# Altium PCB Spektrop2_Processor_Board_V1.PcbDoc (part 4 of 4) (continued)
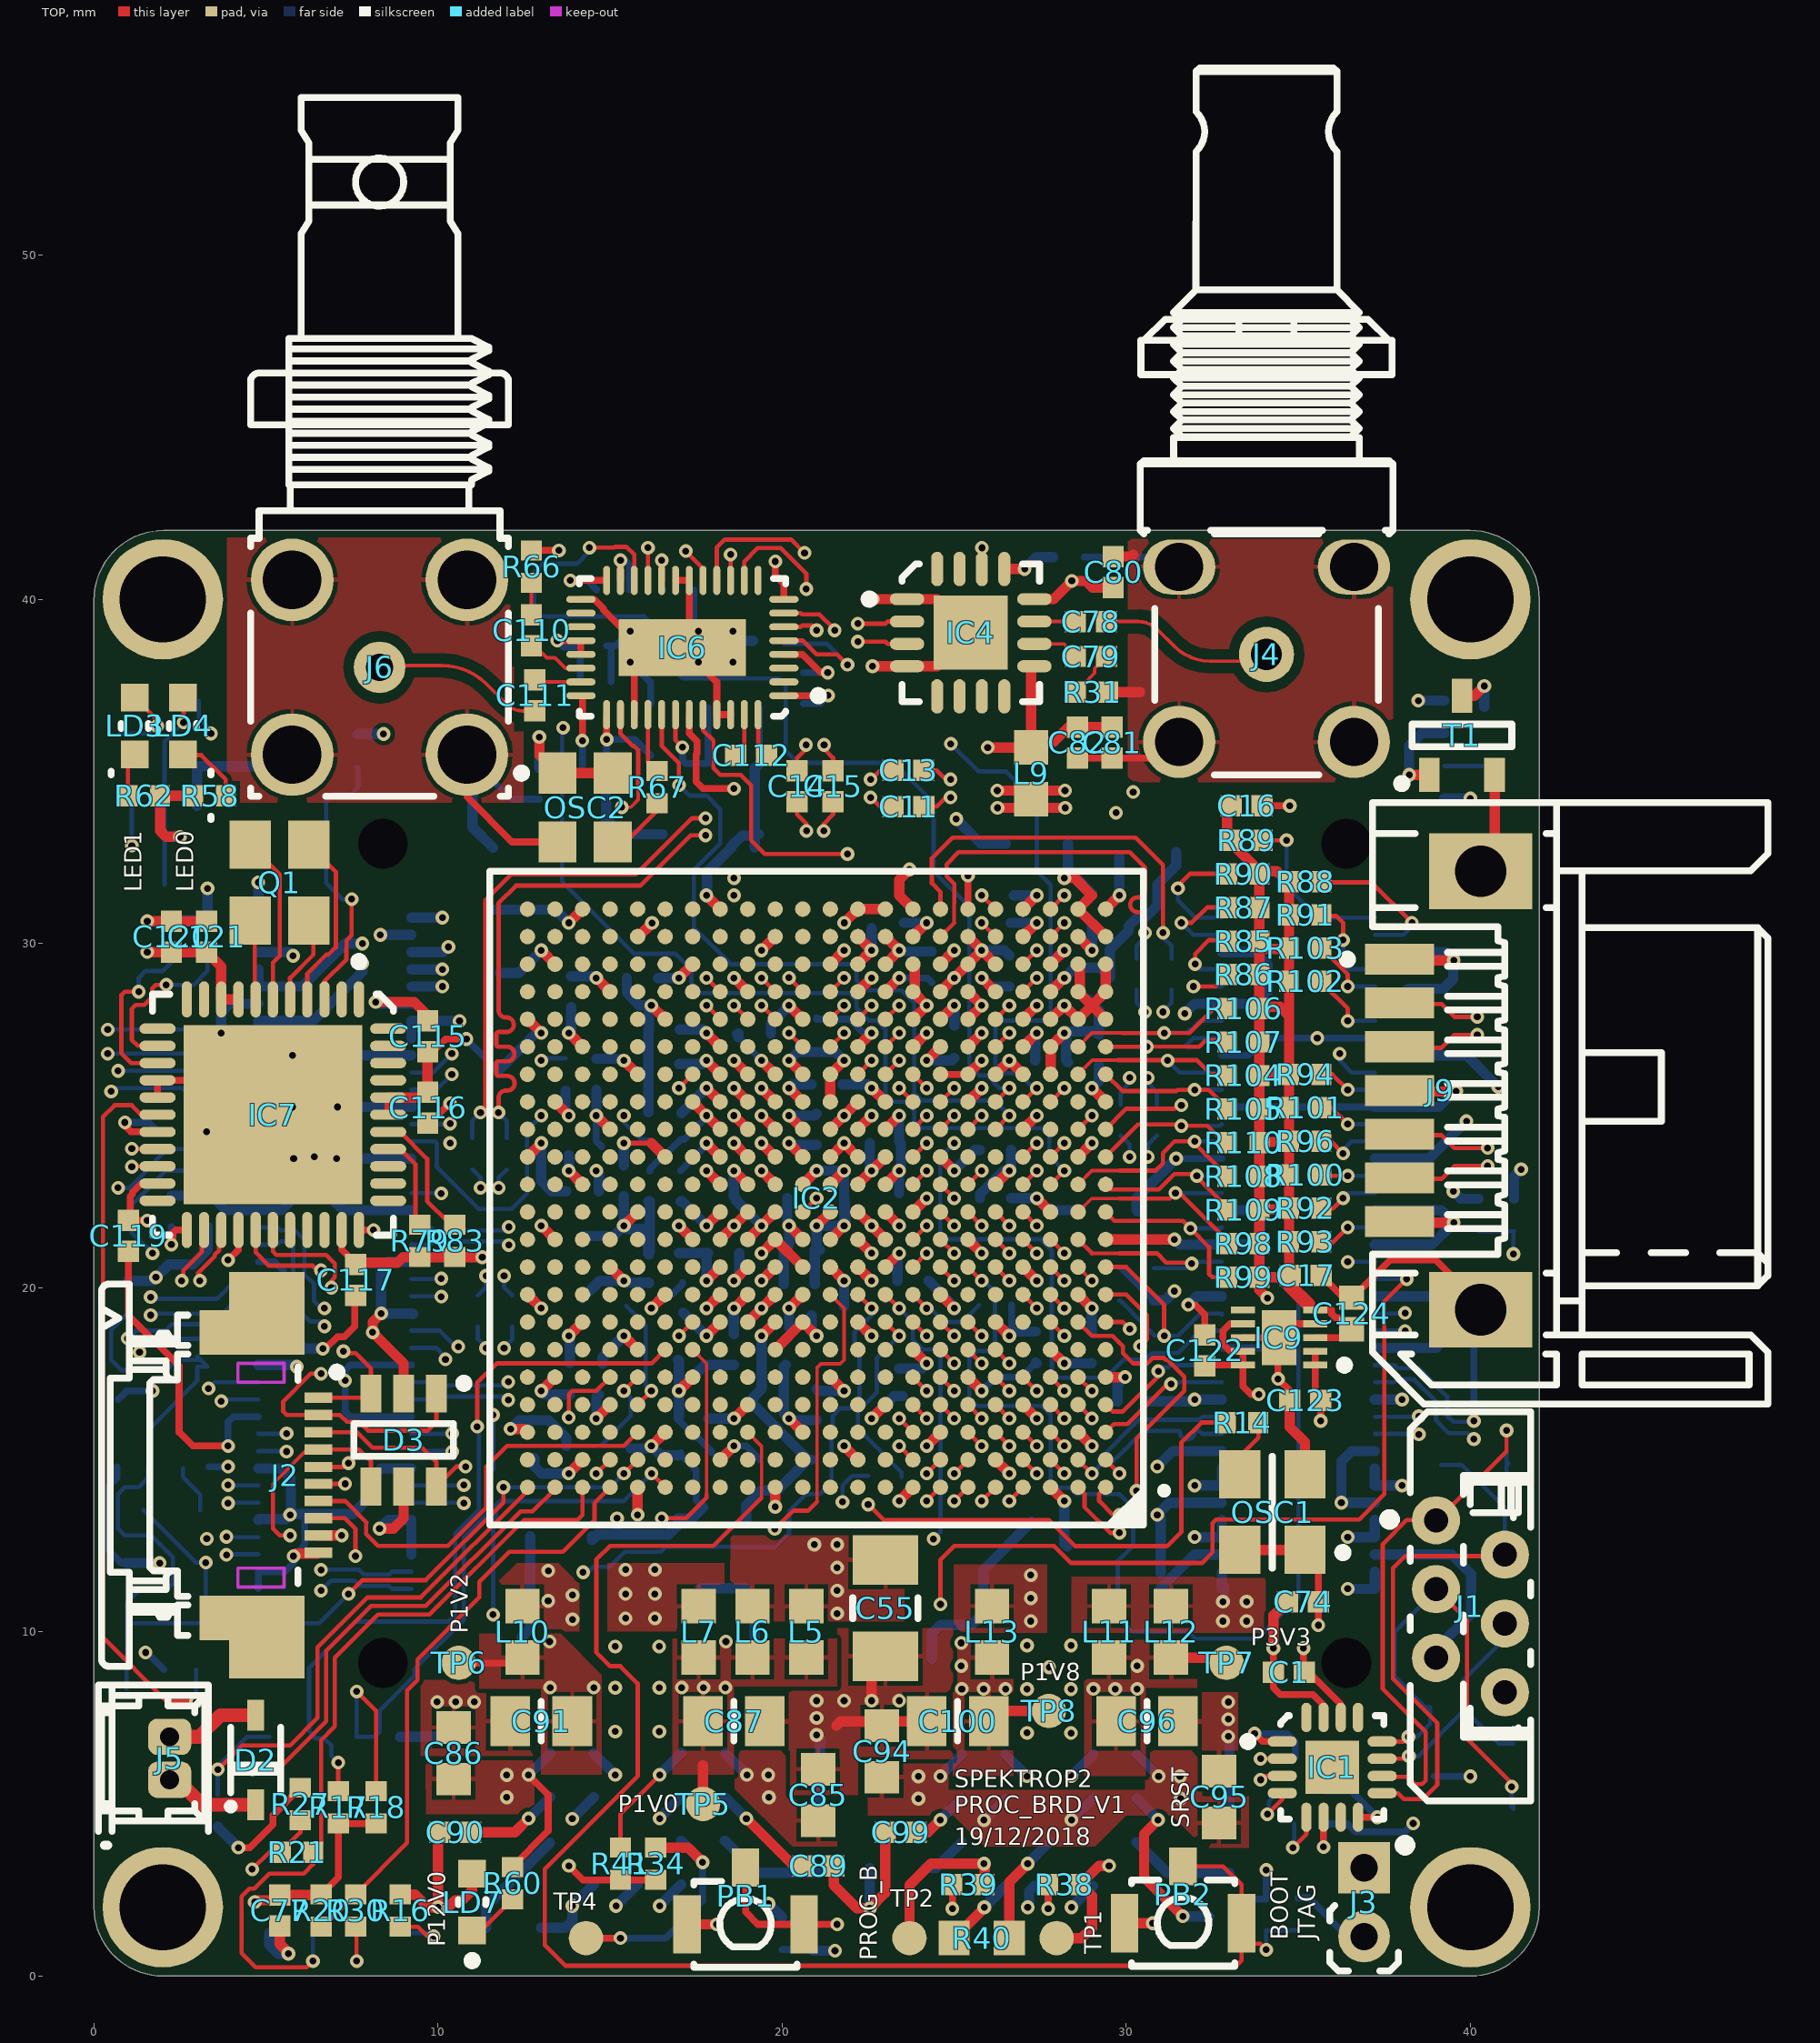
[diagram p0: TOP view]
## Nets (pads, with @x,y where several pads share a name; then routed paths per layer and width w, separated by ;. In a path a pad name is that pad's centre, name@x,y a point inside that pad or via, vN(x,y) a via of type N, cw(c..) or ccw(c..) an arc to the next point about the centre after c; other vN are vias at no path point) (continued)
  TOP w0.1: J6.1@8.3,38.025 cw(c8.424,37.901) 8.424,38.076 10.104,38.076 cw(c10.104,36.231) 11.409,37.536 11.994,36.951 ccw(c12.459,37.416) 12.459,36.758 C111.2@12.812,36.758
SDO0_C: C111.1 IC6.27 | length 1.3
  TOP w0.1: C111.1@12.875,37.6 IC6.27@14.15,37.6
SDO_P: C78.1 J4.1 | length 5.1
  TOP w0.1: C78.1@29.422,39.356 30.332,39.356 cw(c30.332,38.529) 30.917,39.114 31.4,38.631 ccw(c32.431,39.662) 32.431,38.204 33.601,38.204 ccw(c33.601,38.874) J4.1@34.075,38.4
SI5340_I2C_SEL: IC7.38 R83.2 | length 3.6
  TOP w0.125: IC7.38@8.55,24.525 8.902,24.525 9.685,23.742 9.685,22.515 R83.2@10.3,21.9
SI5340_IN_SEL0: IC7.3 R80.1 | length 8.3
  TOP w0.125: IC7.3@6.7,28.375 6.7,28.898 7.34,29.537 7.338,29.539 7.338,29.861 7.34,29.863 7.34,30.088 7.485,30.233 7.485,31.289 v1(7.49,31.289)
  BTM w0.125: v1(7.49,31.289) 7.211,31.289 6.75,31.75 6.75,34.139 6.953,34.342 7.479,34.342 7.681,34.544 7.681,35.084 7.634,35.131 R80.1@7.614,35.151
SI5340_IN_SEL1: IC7.37 R79.1 | length 2.8
  TOP w0.125: IC7.37@8.55,24.025 8.902,24.025 9.343,23.584 9.343,21.953 R79.1@9.471,21.825
SI5340_LOS_XAXBb: IC2.E4 IC7.28 | length 29
  TOP w0.125: IC7.28@5.2,21.675 5.2,21.05 5.3,20.95 6.75,20.95 7,20.7 7,20.3 6.9,20.2 v1(6.9,20) ; IC2.E4@26.999,17.4 v1(27.399,17)
  L2 w0.1: 10.5,17.5 10.863,17.863 12.07,17.863 12.293,18.086 12.293,18.093 12.4,18.2
  L2 w0.125: v1@6.85,20.05 6.9,20.05 8.55,20.05 8.9,19.7 8.9,18 9.4,17.5 10.5,17.5 ; 12.4,18.2 14.3,18.2 15.063,18.963 17.15,18.963 23.549,18.962 23.762,18.75 23.762,18.438 24.038,18.162 25.149,18.162 25.362,17.95 25.362,16.838 25.563,16.637 26.749,16.637 27.112,17 v1(27.399,17)
SI5340_nINTR: IC2.P2 IC7.33 | length 25.9
  TOP w0.125: IC2.P2@28.599,24.6 v1(28.999,25)
  TOP w0.2: IC7.33@7.7,21.675 v1(8.127,21.675)
  L2 w0.125: v1(8.127,21.675) 8.152,21.7 9.8,21.7 11,20.5 11,20.1 11.143,19.957 12.079,19.957 12.221,20.1 13.4,20.1 14.7,21.4 15.6,21.4 16.6,22.4 20.686,22.4 20.849,22.237 21.437,22.237 22.2,23 28.5,23 28.6,23.1 28.6,24.6 v1(28.999,25)
Si5340_nLOL: IC2.P1 IC7.27 | length 35.8
  TOP w0.125: IC7.27@4.7,21.675 4.7,21.025 5.087,20.638 6.358,20.638 6.495,20.5 v1(6.6,20.5) ; IC2.P1@29.399,24.6 30,25.2 31.4,25.2 31.5,25.3 v1(31.6,25.3)
  L2 w0.125: v1(6.6,20.5) 6.945,20.845 10.06,20.845 10.6,20.305 10.6,19.9 10.793,19.707 12.407,19.707 12.5,19.8 13.612,19.8 14.412,20.6 15.8,20.6 16.2,21 16.2,21.6 16.775,22.175 20.336,22.175 20.6,21.911 20.6,21.686 20.886,21.4 22,21.4 22.2,21.6 22.2,22.1 22.275,22.175 29.075,22.175 29.5,22.6 29.5,24.2 30.1,24.8 30.7,24.8 31.2,25.3 v1(31.6,25.3)
SI5340_nRST: IC2.G2 IC7.17 R84.2 | length 73.6
  TOP w0.125: IC7.17@1.85,25.025 1.375,25.025 1.1,25.3 0.6,25.3 0.262,24.962 0.262,9.838 2.13,7.97 v1(2.97,7.97) ; IC2.G2@28.599,19 28.999,18.6 29.6,18.6 29.9,18.3 29.9,18.1 30.2,17.8 30.61,17.8 30.768,17.959 31.089,17.959 31.148,17.9 31.2,17.9 31.688,17.412 31.688,17 30.3,15.613 v1(30.3,14.1)
  L5 w0.1: v1(2.97,7.97) 3.53,7.97 8.8,2.7 22.8,2.7 24.6,0.9 28.8,0.9 32.3,4.4 32.3,8.5 30.5,10.3 30.5,14 30.4,14.1 v1(30.3,14.1)
  BTM w0.125: v1(2.97,7.97) R84.2@2.97,8.9
SI5340_SCL: IC2.G3 IC7.14 R81.2 | length 82.3
  TOP w0.125: v1(1.3,28.6) 0.9,28.6 0.8,28.5 0.8,26.8 1.075,26.525 IC7.14@1.85,26.525 ; IC2.G3@27.799,19 v1(28.199,18.6)
  L2 w0.1: 0.262,10.238 0.262,5.938 1.5,4.7 3.852,4.7 4.252,4.3
  L2 w0.125: 0.262,10.238 0.262,18.762 0.5,19 0.5,22.1 2.25,23.85 2.25,27.65 v1(1.3,28.6) ; 4.252,4.3 6.954,1.598 16.602,1.598 17.2,1 20.1,1 21.2,2.1 21.8,2.1 22.9,1 29.5,1 32,3.5 32,10.1 31.4,10.7 31.4,13.6 30.288,14.712 30.013,14.988 29.163,15.837 28.849,15.837 28.637,16.049 28.637,17.15 28.7,17.213 28.7,18.099 v1(28.199,18.6)
  BTM w0.125: v1(1.3,28.6) 1.3,29 1.5,29.2 2,29.2 2.3,29.5 R81.2@2.3,29.73
SI5340_SDA: IC2.E3 IC7.13 R82.2 | length 68.3
  TOP w0.125: IC7.13@1.85,27.025 1.275,27.025 1.1,27.2 1.1,28.1 1.212,28.212 1.461,28.212 1.688,28.439 1.688,28.688 1.8,28.8 v1(2.1,28.8) ; IC2.E3@27.799,17.4 v1(28.199,17)
  L2 w0.125: v1(2.1,28.8) 2.2,28.8 2.75,28.25 2.75,23.5 1.85,22.6 1.4,22.6 1.1,22.3 1.1,19.202 1.777,18.525 1.777,17.777 1.312,17.312 1.312,11.988 6.5,6.8 7.3,6.8 10.407,3.693 26.093,3.693 27.7,5.3 27.7,8.3 29,9.6 29,10 28.25,10.75 28.25,13.25 28.6,13.6 28.6,15.4 28.562,15.438 28.562,15.55 28.349,15.762 27.938,15.762 27.8,15.9 27.8,16.9 27.9,17 v1(28.199,17)
  BTM w0.125: v1(2.1,28.8) 2.9,28.8 3.3,29.2 R82.2@3.3,29.73
TCK: D3.1 IC2.H11 J2.2 | length 32.2
  TOP w0.1: 21.01,13.776 21.01,17.67 21.128,17.787 21.687,17.787 21.8,17.9 21.8,19.399 IC2.H11@21.399,19.8
  TOP w0.125: v1(6.6,17.5) 6.3,17.5 5.5,16.7 5.5,16.4 5.6,16.3 J2.2@6.525,16.3 7.15,16.3 7.35,16.1 7.715,16.1 7.972,15.843 9.693,15.843 9.95,16.1 D3.1@9.95,16.92 ; v1(19.784,12.991) 20.311,13.517 20.752,13.517 21.01,13.776
  L5 w0.1: v1(6.6,17.5) 6.8,17.7 9.1,17.7 10.1,18.7 12.2,18.7 14.2,16.7 14.2,16 15.15,15.05 16.55,15.05 18.609,12.991 v1(19.784,12.991)
TDI: D3.4 IC2.H9 J2.4 | length 35.5
  TOP w0.1: 5.2,14.2 5.2,14.3 6.2,15.3 J2.4@6.525,15.3
  TOP w0.125: 5.2,14.2 5.2,13 5.4,12.8 v1(5.7,12.8) ; J2.4@6.525,15.3 7.7,15.3 8.05,14.95 D3.4@8.05,14.22 ; IC2.H9@22.999,19.8 v1(23.399,19.4)
  L2 w0.1: v1(5.7,12.8) 6.4,12.8 7.5,11.7 7.8,11.7 8.4,11.1 12.4,11.1 13.514,9.986 16.686,9.986 17.075,10.375 19.825,10.375 20.3,9.9 21.6,9.9 v1(24.4,12.7)
  BTM w0.125: v1(23.399,19.4) 23.4,19.4 23.8,19 23.8,18.486 24.086,18.2 24.5,18.2 24.6,18.1 24.6,12.9 v1(24.4,12.7)
TDO: D3.6 J2.3 R5.1 | length 21
  TOP w0.125: J2.3@6.525,15.8 7.65,15.8 8.097,15.353 9.531,15.353 9.95,14.934 D3.6@9.95,14.45 ; D3.6@9.95,14.22 10.53,14.8 v1(10.8,14.8)
  L2 w0.1: v1(10.8,14.8) 10.3,14.8 10.1,14.6 10.1,13.742 10.942,12.9 18.517,12.9 19.639,14.021 20.179,14.021 20.5,13.7 21.677,13.7 v1(21.752,13.775)
  BTM w0.125: v1(21.752,13.775) 21.752,14.252 22.03,14.53 R5.1@22.5,14.53
TDO_R: IC2.G9 R5.2 | length 5.7
  TOP w0.125: IC2.G9@22.999,19 v1(23.399,18.6)
  BTM w0.125: v1(23.399,18.6) 22.75,17.95 22.75,16.95 22.2,16.4 22.2,15.9 23.47,14.63 R5.2@23.47,14.5
TMS: D3.3 IC2.H10 J2.1 | length 36.3
  TOP w0.125: J2.1@6.525,16.8 7.93,16.8 D3.3@8.05,16.92 8.05,17.65 7.6,18.1 7.3,18.1 v1(7.249,18.151) ; IC2.H10@22.199,19.8 v1(22.599,19.4)
  L2 w0.1: v1(7.249,18.151) 7.749,18.151 8.1,17.8 8.1,17 7.9,16.8 5.3,16.8 4.938,16.438 4.938,14.762 5.7,14 6.6,14 9.1,11.5 12.944,11.5 13.047,11.398 13.358,11.398 13.402,11.442 13.924,11.442 v1(14.213,11.73)
  BTM w0.125: v1(14.213,11.73) 14.213,11.587 14.284,11.659 14.513,11.887 14.984,11.887 15.422,12.326 16.475,12.326 16.62,12.471 19.812,12.471 20.2,12.859 20.2,13.5 20.7,14 21.1,14 21.437,14.337 21.437,15.737 21.472,15.772 21.472,16.272 21.693,16.493 21.975,16.493 22.25,16.768 22.25,18.25 22.1,18.4 22.1,18.7 22.599,19.199 v1(22.599,19.4)
UART0_RX: IC2.G16 J2.5 | length 17.8
  TOP w0.125: J2.5@6.525,14.79 7.29,14.79 v1(7.4,14.9) ; v1(17,18.6) IC2.G16@17.399,19
  L2 w0.1: v1@7.3,14.8 5.457,14.8 5.2,15.057 5.2,16.2 5.5,16.5 10.5,16.5 11.638,17.638 12.198,17.638 12.235,17.6 12.725,17.6 12.775,17.65 14.35,17.65
  L2 w0.125: 14.35,17.65 14.813,18.113 16.713,18.113 17,18.4 v1(17,18.6)
UART0_TX: IC2.B19 J2.6 | length 9.6
  TOP w0.125: J2.6@6.525,14.3 v1(7.3,14.3) ; v1(14.599,14.6) IC2.B19@14.999,15
  L5 w0.125: v1@7.3,14.31 9.629,14.31 10.589,13.35 13.35,13.35 v1(14.599,14.6)
UART1_RX: IC2.A17 J2.8 | length 15.7
  TOP w0.125: J2.8@6.525,13.3 7.29,13.3 7.6,12.99 v1(7.6,12.2) ; v1(16.2,14.601) IC2.A17@16.6,14.201
  L5 w0.125: v1(7.6,12.2) 8,12.6 9.5,12.6 v1(11.6,10.5)
  BTM w0.125: v1(11.6,10.5) 11.6,13.246 11.688,13.334 11.688,13.688 11.8,13.8 15.399,13.8 v1(16.2,14.601)
UART1_TX: IC2.C18 J2.7 | length 12.1
  TOP w0.125: J2.7@6.525,13.8 7.3,13.8 7.926,13.174 7.912,13.161 7.912,12.839 8.252,12.5 10.293,12.5 11.4,13.607 11.4,14.8 12,15.4 15.399,15.4 IC2.C18@15.799,15.8
UART_FPGA_nRE: IC1.4 R3.2 | length 2
  TOP w0.125: v1(34.1,4.7) 34.533,5.133 IC1.4@34.533,5.313
  BTM w0.125: v1(34.1,4.7) 34.146,4.746 34.146,5.07 34.449,5.372 R3.2@34.881,5.372
UART_FPGA_TX: IC1.5 R1.1 | length 1.8
  TOP w0.125: v1(34.838,3.728) 35.233,4.124 IC1.5@35.233,4.613
  BTM w0.125: v1(34.838,3.728) 34.88,3.77 R1.1@34.88,4.42
VCC_ADC: C102.1 C103.1 IC2.K12 L1.1 | length 3.1
  TOP w0.3: v1(20.199,21.8) IC2.K12@20.599,21.4
  BTM w0.3: C102.1@20.05,20.1 C103.1@20.05,21.1 20.199,21.249 v1(20.199,21.8) 20.149,21.85 L1.1@20.149,22.6
VCCO_13: C29.1 C30.1 C31.1 C43.1 C44.1 C45.1 IC2.AA13 IC2.AB20 IC2.T18 IC2.U15 IC2.V12 IC2.W19 IC2.Y16 J7.1 J7.2 J7.3 J7.4 J7.7 J7.8 J7.9 J7.10 J7.13 J7.14 J7.15 J7.16 | length 25.8
  TOP w0.3: v1(13.799,30.6) IC2.AB20@14.199,31 ; v1(14.599,29) IC2.W19@14.999,28.6 ; v1(15.399,26.6) IC2.T18@15.799,26.2 ; v1(16.999,29) IC2.Y16@17.399,29.4 ; v1(17.799,27.4) IC2.U15@18.199,27 ; v1(19.399,29.8) IC2.AA13@19.799,30.2 ; v1(20.199,28.2) IC2.V12@20.599,27.8
  BTM w0.125: v1@16.99,28.991 v1(16.999,29)
  BTM w0.3: J7.16@4.775,27.25 J7.14@4.775,27.75 6.375,27.75 7.8,29.175 v1(7.8,29.425) ; J7.8@4.775,29.25 J7.10@4.775,28.75 6.05,28.75 7.3,30 v1(7.8,30) ; J7.4@4.775,30.25 J7.2@4.775,30.75 v1(4.775,31.775) ; v1(8.325,30.25) J7.3@9.225,30.25 ; J7.15@9.225,27.25 J7.13@9.225,27.75 v1(10.625,27.75) ; J7.9@9.225,28.75 v1(10.125,28.75) ; J7.7@9.225,29.25 v1(10.125,29.25) ; J7.1@9.225,30.75 v1(10.125,30.75) ; C29.1@11.598,30.982 13.417,30.982 v1(13.799,30.6) ; C43.1@13.869,29.05 14.549,29.05 v1(14.599,29) ; C45.1@14.599,26.65 15.349,26.65 v1(15.399,26.6) ; C31.1@16.386,28.991 v1@16.99,28.991 ; C30.1@17.024,27.5 17.699,27.5 v1(17.799,27.4) ; C44.1@19.674,27.385 19.674,27.674 v1(20.199,28.2)
VCCPLL: C72.1 C73.1 IC2.G13 L4.2 | length 7.9
  TOP w0.3: v1(19.399,18.6) IC2.G13@19.799,19
  BTM w0.3: L4.2@18.95,13.2 18.95,13.668 19.391,14.109 19.859,14.109 20.75,15 C73.1@20.762,15 ; v1(19.399,18.6) 19.399,17.05 C72.1@19.149,16.8 19.149,16.613 20.706,15.056 C73.1@20.762,15 ; C73.1@20.85,15 C73.1@20.762,15
VCO_FILT: C130.2 C131.2 IC6.30 IC6.34 | length 9.5
  TOP w0.1: v1(15.338,33.962) 15.6,33.962 15.813,34.175 15.813,34.5
  TOP w0.125: IC6.30@15.3,36.65 15.3,36.1 15.662,35.738 15.703,35.738 15.813,35.628 15.813,34.5 ; IC6.34@16.9,36.65 16.9,35.9 v1(17.1,35.7)
  L2 w0.1: v1(15.338,33.962) 17.075,35.7 v1(17.1,35.7)
  BTM w0.2: v1(17.1,35.7) 17.1,35.325 17.201,35.224 C131.2@17.837,35.224 ; C131.2@17.837,35.268 C130.2@17.837,36.851
ZYNQ_ADC: IC2.L12 J8.50 | length 21.2
  TOP w0.125: IC2.L12@20.599,22.2 v1(20.999,22.6)
  L2 w0.125: v1(20.999,22.6) 21.437,23.037 21.437,23.55 21.687,23.8 22.5,23.8 23.262,24.562 24.349,24.562 24.637,24.562 v1(24.999,24.2)
  BTM w0.125: v1(24.999,24.2) 24.592,23.792 24.592,21.602 24.79,21.404 27.551,21.404 27.551,21.36 27.837,21.075 27.837,17.581 28.032,17.386 29.403,17.386 29.93,17.912 30.561,17.912 30.748,18.1 31.5,18.1 32.15,18.75 J8.50@32.775,18.75
pads on no net: D1.2 IC1.7 IC1.13 IC1.16 IC1.17 IC2.A9 IC2.A10 IC2.A11 IC2.A12 IC2.A14 IC2.A15 IC2.A16 IC2.AA11 IC2.AA12 IC2.AA14 IC2.AA15 IC2.AA16 IC2.AA17 IC2.AA19 IC2.AA20 IC2.AA21 IC2.AA22 IC2.AB11 IC2.AB12 IC2.AB13 IC2.AB14 IC2.AB16 IC2.AB17 IC2.AB18 IC2.AB19 IC2.AB21 IC2.AB22 IC2.B9 IC2.B11 IC2.B12 IC2.B13 IC2.B14 IC2.B16 IC2.B17 IC2.B21 IC2.B22 IC2.C9 IC2.C10 IC2.C11 IC2.C13 IC2.C15 IC2.C16 IC2.C19 IC2.C20 IC2.C21 IC2.D10 IC2.D11 IC2.D12 IC2.D13 IC2.D15 IC2.D16 IC2.D17 IC2.D20 IC2.D21 IC2.D22 IC2.E9 IC2.E10 IC2.E12 IC2.E13 IC2.E14 IC2.E15 IC2.E17 IC2.E20 IC2.E22 IC2.F1 IC2.F2 IC2.F4 IC2.F9 IC2.F10 IC2.F11 IC2.F12 IC2.F14 IC2.F15 IC2.F19 IC2.F20 IC2.F21 IC2.F22 IC2.G4 IC2.G11 IC2.G17 IC2.G18 IC2.G19 IC2.G21 IC2.G22 IC2.H5 IC2.H6 IC2.H16 IC2.H18 IC2.H19 IC2.H20 IC2.H21 IC2.J16 IC2.J17 IC2.J18 IC2.J20 IC2.J21 IC2.J22 IC2.K17 IC2.K18 IC2.K19 IC2.K20 IC2.K22 IC2.L16 IC2.L17 IC2.L19 IC2.L20 IC2.L21 IC2.L22 IC2.M16 IC2.M17 IC2.M18 IC2.M19 IC2.M21 IC2.M22 IC2.N5 IC2.N6 IC2.N16 IC2.N18 IC2.N19 IC2.N20 IC2.N21 IC2.P3 IC2.P16 IC2.P17 IC2.P18 IC2.P20 IC2.P21 IC2.P22 IC2.R2 IC2.R17 IC2.R18 IC2.R19 IC2.R20 IC2.R22 IC2.T17 IC2.T19 IC2.T20 IC2.T21 IC2.T22 IC2.U13 IC2.U14 IC2.U16 IC2.U17 IC2.U18 IC2.U19 IC2.U21 IC2.U22 IC2.V16 IC2.V18 IC2.V19 IC2.V20 IC2.V21 IC2.W16 IC2.W17 IC2.W18 IC2.W20 IC2.W21 IC2.W22 IC2.Y12 IC2.Y13 IC2.Y14 IC2.Y15 IC2.Y17 IC2.Y18 IC2.Y19 IC2.Y20 IC2.Y22 IC3.9 IC4.5 IC4.6 IC4.7 IC4.8 IC4.15 IC4.16 IC5.A5 IC5.B4 IC5.C3 IC5.C4 IC5.E5 IC6.2 IC6.3 IC6.9 IC6.22 IC6.23 IC7.1 IC7.2 IC7.10 IC7.11 IC7.12 IC7.22 IC7.29 IC7.30 IC7.31 IC7.34 IC7.35 IC7.36 IC7.41 IC7.42 IC7.43 IC7.44 IC8.A5 IC8.B4 IC8.C3 IC8.D4 IC8.E5 IC9.6 J2.MECH J7.31 J7.81 J7.82 J8.81 J8.82

## Polygon pours and split planes (outlines as drawn)
P1V0 on BTM "BTM_P1V0" (solid, remove dead copper, pour order 80): 19.7,12.4 20.671,13.371 23.775,13.371 23.775,10.25 19.7,10.25
GND on BTM "BTM_GND" (solid, remove dead copper, pour order 50): 24.585,7.144 21.545,7.144 21.545,9.96 24.585,9.96
GND on BTM "BTM_GND" (solid, remove dead copper, pour order 38): 21.545,6.802 21.545,5.395 20.24,5.395 20.24,6.805 18.695,6.811 18.695,10 21.545,10
P12V0 on BTM "BTM_P12V" (solid, remove dead copper, pour order 22): 11.348,5.834 9.464,5.834 9.464,4.198 11.721,4.198 12.659,3.26 18.931,3.26 20.246,4.575 20.24,6.809 18.97,6.816 17.7,6.816 15.795,4.911 13.89,6.816 12.62,6.816 11.35,6.809
P1V8 on BTM "BTM_P1V8" (solid, pour order 96): 26.886,9.96 26.886,12.688 29.222,12.688 29.222,9.96
GND on BTM "BTM_GND" (solid, remove dead copper, pour order 36): 9.445,8.6 10.845,10 12.784,10 12.784,7.106 9.445,7.093
GND on BTM "BTM_GND" (solid, remove dead copper, pour order 52): 26.886,9.96 28.681,9.96 28.681,9.775 28.681,5.66 26.886,5.66
P12V0 on BTM "BTM_P12V" (solid, remove dead copper, pour order 48): 22.9,5.794 23.6,6.494 23.6,6.769 23.602,6.77 24.585,6.776 25.855,6.776 27.76,4.871 29.665,6.776 30.935,6.776 32.205,6.769 32.211,4.535 30.896,3.22 24.624,3.22 23.686,4.158 21.84,4.158 21.84,5.794
P1V8_L on BTM "BTM_P1V2" (solid, pour order 58): 24.802,7.06 26.755,7.06 26.755,9.96 24.802,9.96
P3V3_L on BTM "BTM_P1V2" (solid, pour order 54): 29.84,9.96 30.95,8.85 30.95,7.06 28.78,7.06 28.78,9.96
GND on BTM "BTM_GND" (solid, remove dead copper, pour order 46): 33.51,6.762 33.51,5.355 32.205,5.355 32.205,6.765 30.985,6.769 30.985,9.6 33.51,9.6
GND on BTM "BTM_GND" (solid, remove dead copper, pour order 20): 14.921,10 16.716,10 16.716,9.815 16.716,5.7 14.921,5.7
P1V0_L on BTM "BTM_P1V2" (solid, pour order 14): 18.595,7.1 16.815,7.1 16.815,10 18.595,10
P1V2 on BTM "BTM_P1V2" (solid, pour order 6): 13,7.1 14.79,7.1 14.79,10 13,10
P1V8 on TOP "TOP_P1V2" (solid, remove dead copper, pour order 74): 24.989,9.976 27.697,9.976 27.697,11.956 24.989,11.956
P3V3 on TOP "TOP_P3V3" (solid, remove dead copper, pour order 68): 34.05,9.976 28.411,9.976 28.411,11.6 34.05,11.6
P1V0 on TOP "BTM_P1V0" (solid, remove dead copper, pour order 28): 18.485,10.3 23.55,10.3 23.55,12.8 18.499,12.8
MGTAVTT on TOP "TOP_P1V2" (solid, remove dead copper, pour order 92): 13.5,12 13.6,11.9 14.1,11.4 14.1,10.016 11.668,10.016 11.668,11.375 12.293,12
GND on TOP "TOP_GND" (solid, remove dead copper, pour order 40): 13,8.6 13,6.4 9.5,6.4 9.5,8.6
GND on TOP "TOP_GND" (solid, remove dead copper, pour order 86): 3.872,41.873 12.477,41.873 12.477,34.096 3.872,34.096
GND on TOP "TOP_GND" (solid, remove dead copper, pour order 84): 30.05,41.748 37.744,41.748 37.744,34.683 30.05,34.683
P1V8_L on TOP "TOP_P1V2" (solid, remove dead copper, pour order 76): 24.965,8.31 24.965,9.901 26.715,9.901 26.715,5.845 26.715,5.81 26.65,5.81 24.965,5.81
P3V3_L on TOP "TOP_P1V2" (solid, remove dead copper, pour order 72): 30.565,8.376 32.05,8.376 32.05,9.765 28.775,9.765 28.775,5.81 30.565,5.81
GND on TOP "TOP_GND" (solid, remove dead copper, pour order 60): 33.25,8.248 30.978,8.248 30.94,8.211 30.94,6.625 32.063,6.625 32.205,6.483 32.205,5.22 33.25,5.22
GND on TOP "TOP_GND" (solid, remove dead copper, pour order 66): 24.965,10.1 24.965,6.3 21.604,6.3 21.604,10.1
P12V0 on TOP "TOP_P12V0" (solid, remove dead copper, pour order 44): 18.629,6.804 18.629,5.431 20.3,3.76 21.6,3.76 21.6,5.26 20.24,5.26 20.24,6.263 19.699,6.804
GND on TOP "TOP_GND" (solid, remove dead copper, pour order 30): 22.2,8.288 19.013,8.288 18.975,8.251 18.975,6.665 20.098,6.665 20.24,6.523 20.24,5.26 22.2,5.26
P1V0_L on TOP "TOP_P1V2" (solid, remove dead copper, pour order 24): 18.6,8.416 21.59,8.416 21.59,9.805 16.81,9.805 16.81,5.85 18.6,5.85
MGTAVCC on TOP "TOP_P1V2" (solid, remove dead copper, pour order 26): 18.315,10.016 14.925,10.016 14.925,12 18.315,12
P1V2 on TOP "TOP_P1V2" (solid, remove dead copper, pour order 8): 13.561,9.941 14.75,8.747 14.75,5.85 13,5.85 13,8.35 11.2,8.35 11.2,9.941
P12V0 on TOP "TOP_P12V0" (solid, remove dead copper, pour order 42): 9.637,6.275 12.796,6.275 12.796,4.89 12.606,4.7 9.647,4.7
P12V0 on TOP "TOP_P12V0" (solid, remove dead copper, pour order 78): 30,4.66 29.1,3.76 25.878,3.76 24.978,4.66 22.498,4.66 22.498,6.2 24.825,6.2 24.825,5.4 30.553,5.4 30.553,6.159 30.594,6.2 30.594,6.764 31.664,6.764 32.205,6.223 32.205,5.22 33.565,5.22 33.565,3.72 32.265,3.72 31.325,4.66
VCCO_13 on L5 "L5_VCCO13" (solid, pour order 90): 4.1,29.65 7.45,26.3 21.062,26.3 21.062,30.034 21.028,30 15.5,30 14.723,30.777 10.432,30.777 8.946,32.263 4.1,32.263
P1V8 on L3-1V8 "L3_P1V8" (solid, remove dead copper, pour order 2): -0.225,41.696 -0.02,41.491 41.96,41.491 41.96,0.21 41.546,-0.204 0.275,-0.204
GND on L1-GND (split plane): 2.025,41.49 40,41.49 40.015,41.491 40.167,41.482 40.332,41.454 40.493,41.408 40.647,41.344 40.794,41.263 40.93,41.166 41.055,41.055 41.166,40.93 41.263,40.794 41.344,40.647 41.408,40.493 41.454,40.332 41.482,40.167 41.491,40.015 41.49,40 41.49,2 41.491,1.985 41.482,1.833 41.454,1.668 41.408,1.507 41.344,1.353 41.263,1.206 41.166,1.07 41.055,0.945 40.93,0.834 40.794,0.737 40.647,0.656 40.493,0.592 40.332,0.546 40.167,0.518 40.015,0.509 40,0.51 2,0.51 1.985,0.509 1.833,0.518 1.668,0.546 1.507,0.592 1.353,0.656 1.206,0.737 1.07,0.834 0.945,0.945 0.834,1.07 0.737,1.206 0.656,1.353 0.592,1.507 0.546,1.668 0.518,1.833 0.509,1.985 0.51,2 0.51,39.975 0.509,39.99 0.518,40.145 0.546,40.313 0.593,40.476 0.658,40.633 0.741,40.782 0.839,40.921 0.952,41.048 1.079,41.161 1.218,41.259 1.367,41.342 1.524,41.407 1.687,41.454 1.855,41.482 2.01,41.491
MGTAVCC on L4-PWR (split plane): 29.988,24.958 29.359,24.329 24.051,24.329 24.051,27.761 24.041,27.811 24.013,27.853 23.971,27.881 23.922,27.891 23.872,27.881 23.857,27.871 23.842,27.881 23.792,27.891 17.53,27.891 17.52,27.889 17.51,27.891 17.46,27.881 17.418,27.853 17.39,27.811 17.381,27.761 17.381,14.8 17.381,9.964 14.173,9.964 14.173,12.111 14.173,28.798 14.891,29.516 29.988,29.516
P1V0 on L4-PWR (split plane): 23.792,24.2 23.792,23.294 23.792,17.228 23.792,10.775 22.981,9.964 17.639,9.964 17.639,14.8 17.639,27.632 23.792,27.632
P1V2 on L4-PWR (split plane): 33.572,30.845 33.572,17.136 31.122,14.686 31.094,14.644 31.084,14.594 31.084,12.949 26.316,8.181 12.584,8.181 12.584,9.706 23.035,9.706 23.085,9.715 23.127,9.743 24.013,10.63 24.041,10.672 24.051,10.722 24.051,17.228 24.051,24.07 29.412,24.07 29.462,24.08 29.504,24.108 30.209,24.813 30.237,24.855 30.247,24.904 30.247,31.518 30.237,31.567 30.209,31.609 29.526,32.292 29.484,32.32 29.434,32.33 24.883,32.33 24.883,34.353 25.222,34.692 29.725,34.692
P12V0 on L4-PWR (split plane): 31.871,0.51 2,0.51 1.985,0.509 1.833,0.518 1.668,0.546 1.507,0.592 1.353,0.656 1.206,0.737 1.07,0.834 0.945,0.945 0.834,1.07 0.737,1.206 0.656,1.353 0.592,1.507 0.546,1.668 0.518,1.833 0.509,1.985 0.51,2 0.51,6.028 31.871,6.028
MGTAVTT on L4-PWR (split plane): 29.988,31.464 29.988,29.775 14.838,29.775 14.788,29.765 14.746,29.737 13.952,28.943 13.924,28.901 13.914,28.852 13.914,12.111 13.914,9.964 10.679,9.964 10.679,21.196 11.292,21.808 11.32,21.85 11.329,21.9 11.329,31.221 12.179,32.071 29.38,32.071
P3V3 on L4-PWR (split plane): 2.025,41.49 40,41.49 40.015,41.491 40.167,41.482 40.332,41.454 40.493,41.408 40.647,41.344 40.794,41.263 40.93,41.166 41.055,41.055 41.166,40.93 41.263,40.794 41.344,40.647 41.408,40.493 41.454,40.332 41.482,40.167 41.491,40.015 41.49,40 41.49,2 41.491,1.985 41.482,1.833 41.454,1.668 41.408,1.507 41.344,1.353 41.263,1.206 41.166,1.07 41.055,0.945 40.93,0.834 40.794,0.737 40.647,0.656 40.493,0.592 40.332,0.546 40.167,0.518 40.015,0.509 40,0.51 32.129,0.51 32.129,6.158 32.12,6.207 32.092,6.249 32.05,6.277 32,6.287 0.51,6.287 0.51,39.975 0.509,39.99 0.518,40.145 0.546,40.313 0.593,40.476 0.658,40.633 0.741,40.782 0.839,40.921 0.952,41.048 1.079,41.161 1.218,41.259 1.367,41.342 1.524,41.407 1.687,41.454 1.855,41.482 2.01,41.491
GND on L6-GND (split plane): 2.025,41.49 40,41.49 40.015,41.491 40.167,41.482 40.332,41.454 40.493,41.408 40.647,41.344 40.794,41.263 40.93,41.166 41.055,41.055 41.166,40.93 41.263,40.794 41.344,40.647 41.408,40.493 41.454,40.332 41.482,40.167 41.491,40.015 41.49,40 41.49,2 41.491,1.985 41.482,1.833 41.454,1.668 41.408,1.507 41.344,1.353 41.263,1.206 41.166,1.07 41.055,0.945 40.93,0.834 40.794,0.737 40.647,0.656 40.493,0.592 40.332,0.546 40.167,0.518 40.015,0.509 40,0.51 2,0.51 1.985,0.509 1.833,0.518 1.668,0.546 1.507,0.592 1.353,0.656 1.206,0.737 1.07,0.834 0.945,0.945 0.834,1.07 0.737,1.206 0.656,1.353 0.592,1.507 0.546,1.668 0.518,1.833 0.509,1.985 0.51,2 0.51,39.975 0.509,39.99 0.518,40.145 0.546,40.313 0.593,40.476 0.658,40.633 0.741,40.782 0.839,40.921 0.952,41.048 1.079,41.161 1.218,41.259 1.367,41.342 1.524,41.407 1.687,41.454 1.855,41.482 2.01,41.491

## Other copper
L4-PWR (plane layer: these items are gaps in the copper):
  lines w0.254: -0.175,6.158 12.454,6.158 32,6.158 32,0.012 31.988,0 ; 12.454,9.706 12.454,8.051 26.369,8.051 31.214,12.896 31.214,14.594 33.701,17.082 33.701,30.899 29.779,34.821 25.168,34.821 25.15,34.803 24.754,34.407 24.754,32.201 ; 17.205,29.646 30.073,29.646 ; 17.51,27.761 17.51,14.8 17.51,9.835 ; 17.51,29.646 14.838,29.646 14.044,28.852 14.044,12.111 14.044,9.835 ; 17.53,27.761 23.792,27.761 ; 23.922,23.294 23.922,27.761 ; 14.044,9.835 10.55,9.835 10.55,21.25 11.2,21.9 11.2,31.275 12.126,32.201 14.044,32.201 24.754,32.201 ; 14.044,9.835 17.51,9.835 ; 17.51,9.835 23.035,9.835 23.922,10.722 23.922,17.228 23.922,24.2 29.412,24.2 30.117,24.904 30.117,31.518 29.434,32.201 24.754,32.201

## Silkscreen, mask and mechanical layers (free items; w line width, h text height)
Top Overlay:
  pour cut-out: 37.731,41.679 37.731,34.683 30.054,34.683 30.054,41.679
  lines w0.2: 0.5,34.9 0.5,35 ; 3.4,33.6 3.4,33.7 ; 3.4,34.9 3.4,35
  lines w0.254: 0.3,3.8 0.4,3.8
  text "LED1" at 1.382,31.488 h0.5 r90
  text "LED0" at 2.893,31.488 h0.5 r90
  text "P1V2" at 10.867,9.942 h0.5 r90
  text "P3V3" at 33.621,9.609 h0.5
  text "P1V8" at 26.924,8.582 h0.5
  text "SPEKTROP2" at 25.004,5.487 h0.5
  text "P1V0" at 15.233,4.762 h0.5
  text "PROC_BRD_V1" at 25.004,4.727 h0.5
  text "SRST" at 31.822,4.294 h0.5 r90
  text "19/12/2018" at 25.004,3.801 h0.5
  text "BOOT" at 34.694,1.042 h0.5 r90
  text "JTAG" at 35.487,1.042 h0.5 r90
  text "P12V0" at 10.203,0.847 h0.5 r90
  text "PROG_B" at 22.756,0.452 h0.5 r90
Bottom Overlay:
  text "PWR_GOOD" at 0.406,3.717 h0.5 r270
Top Solder:
  region: 10.4,7.6 10.4,7.9 10.6,7.9 10.6,7.6
  region: 10,7.5 9.9,7.9 10.1,7.9 10.1,7.6
  region: 14.419,8.486 14.631,8.274 14.38,7.8 14.18,8.1
  region: 13.361,8.486 13.149,8.274 13.4,7.8 13.6,8.1
  region: 18.365,9.866 18.365,9.566 18.74,9.626 18.9,9.7
  region: 29.195,8.29 28.895,8.29 29.195,7.995 29.3,8.1
  region: 17.23,8.33 16.93,8.33 17.2,7.8 17.3,7.9
  region: 18.5,8.33 18.2,8.33 18.1,8 18.2,7.8
  region: 17.865,8.33 17.565,8.33 17.625,7.955 17.825,7.955
  region: 13.514,38.95 13.514,38.65 13.889,38.71 13.889,38.91
  region: 13.15,10.75 13.15,11.05 12.775,10.99 12.775,10.79
  region: 1.15,24.187 1.15,23.887 1.525,23.948 1.525,24.148
  region: 1.15,23.662 1.15,23.362 1.525,23.423 1.525,23.623
  region: 22.75,7.95 22.45,7.95 22.51,7.575 22.71,7.575
  region: 23.466,7.863 23.259,8.071 22.894,7.706 23.4,7.6
  region: 23.45,8.15 23.45,7.85 23.825,7.91 23.825,8.11
  region: 33.95,6.163 33.95,6.463 34.25,6.463 34.25,6.163
  region: 33.95,5.55 33.95,5.85 34.25,5.85 34.3,5.7
  region: 26.34,8.29 26.64,8.29 26.6,7.99 26.34,7.99
  region: 25.705,8.29 26.005,8.29 26.005,7.99 25.705,7.99
  region: 30.165,8.29 30.465,8.29 30.165,7.735
  region: 29.53,8.29 29.83,8.29 29.83,7.99 29.53,7.99
  region: 1.5,22.1 1.5,21.8 1.2,21.8 1.2,22.1
Bottom Solder:
  region: 25.205,9.158 25.205,8.858 25.58,8.918 25.58,9.118
  region: 25.205,9.826 25.205,9.526 25.58,9.586 25.58,9.7
  region: 40.553,37.481 40.253,37.481 40.313,37.106 40.513,37.106
  region: 2.1,21.3 2.4,21.3 2.34,21.675 2.14,21.675
  region: 27.275,10.46 27.275,10.16 27.9,10.3 27.65,10.42
  region: 27.275,11.128 27.275,10.828 27.65,10.888 27.65,11.088
  region: 27.275,11.796 27.275,11.496 27.65,11.556 27.65,11.756
  region: 12.068,20.295 11.768,20.295 11.9,19.7 12.028,19.92
  region: 11.543,20.295 11.243,20.295 11.303,19.92 11.4,19.7
  region: 15.66,38.93 15.448,39.142 15.225,38.834 15.315,38.585
  region: 33.916,0.813 34.216,0.813 34.156,1.188 33.956,1.188
  region: 25.149,28.15 24.849,28.15 24.909,27.775 25.109,27.775
  region: 32.66,10.925 32.96,10.925 32.9,11.3 32.7,11.3
  region: 17.15,35.85 17.15,35.55 17.665,35.55 17.704,35.716
  region: 32.1,23.4 32.1,23.1 32.4,23.1 32.3,23.4
  region: 11.61,22.95 11.91,22.95 11.91,23.25 11.695,23.3
  region: 11.385,22.95 11.085,22.95 11.085,23.25 11.3,23.3
  region: 3.85,14.95 3.85,14.65 3.55,14.65 3.55,14.95
  region: 24.149,30.75 24.149,30.45 23.849,30.45 23.849,30.75

## Text inside footprints (layer, text, board x,y; h text height)
IC2: Mechanical 14 "AB" at 31.899,31.3 h0.6 r180; Mechanical 14 "AA" at 31.899,30.5 h0.6 r180; Mechanical 14 "Y" at 31.399,29.7 h0.6 r180; Mechanical 14 "W" at 31.399,28.9 h0.6 r180; Mechanical 14 "V" at 31.399,28.1 h0.6 r180; Mechanical 14 "U" at 31.399,27.3 h0.6 r180; Mechanical 14 "T" at 31.399,26.5 h0.6 r180; Mechanical 14 "R" at 31.399,25.7 h0.6 r180; Mechanical 14 "P" at 31.399,24.9 h0.6 r180; Mechanical 14 "N" at 31.399,24.1 h0.6 r180; Mechanical 14 "M" at 31.399,23.3 h0.6 r180; Mechanical 14 "L" at 31.399,22.5 h0.6 r180; Mechanical 14 "K" at 31.399,21.7 h0.6 r180; Mechanical 14 "J" at 31.399,20.9 h0.6 r180; Mechanical 14 "H" at 31.399,20.1 h0.6 r180; Mechanical 14 "G" at 31.399,19.3 h0.6 r180; Mechanical 14 "F" at 31.399,18.5 h0.6 r180; Mechanical 14 "E" at 31.399,17.7 h0.6 r180; Mechanical 14 "D" at 31.399,16.9 h0.6 r180; Mechanical 14 "C" at 31.399,16.1 h0.6 r180; Mechanical 14 "B" at 31.399,15.3 h0.6 r180; Mechanical 14 "A" at 31.399,14.5 h0.6 r180; Mechanical 14 "2" at 28.299,12.6 h0.6 r270; Mechanical 14 "3" at 27.499,12.6 h0.6 r270; Mechanical 14 "4" at 26.699,12.6 h0.6 r270; Mechanical 14 "5" at 25.899,12.6 h0.6 r270; Mechanical 14 "16" at 17.099,12.6 h0.6 r270; Mechanical 14 "15" at 17.899,12.6 h0.6 r270; Mechanical 14 "14" at 18.699,12.6 h0.6 r270; Mechanical 14 "13" at 19.499,12.6 h0.6 r270; Mechanical 14 "12" at 20.299,12.6 h0.6 r270; Mechanical 14 "11" at 21.099,12.6 h0.6 r270; Mechanical 14 "10" at 21.899,12.6 h0.6 r270; Mechanical 14 "9" at 22.699,12.6 h0.6 r270; Mechanical 14 "8" at 23.499,12.6 h0.6 r270; Mechanical 14 "7" at 24.299,12.6 h0.6 r270; Mechanical 14 "6" at 25.099,12.6 h0.6 r270; Mechanical 14 "1" at 29.099,12.6 h0.6 r270; Mechanical 14 "18" at 15.499,12.6 h0.6 r270; Mechanical 14 "19" at 14.699,12.6 h0.6 r270; Mechanical 14 "20" at 13.899,12.6 h0.6 r270; Mechanical 14 "21" at 13.099,12.6 h0.6 r270; Mechanical 14 "22" at 12.299,12.6 h0.6 r270; Mechanical 14 "17" at 16.299,12.6 h0.6 r270
IC5: Mechanical 14 "5" at 12.231,2.787 h0.4 r90; Mechanical 14 "4" at 12.231,4.057 h0.4 r90; Mechanical 14 "3" at 12.231,5.327 h0.4 r90; Mechanical 14 "2" at 12.231,6.597 h0.4 r90; Mechanical 14 "1" at 12.231,7.867 h0.4 r90; Mechanical 14 "A" at 13.382,9.01 h0.4 r90; Mechanical 14 "B" at 14.652,9.01 h0.4 r90; Mechanical 14 "C" at 15.922,9.01 h0.4 r90; Mechanical 14 "D" at 17.192,9.01 h0.4 r90; Mechanical 14 "E" at 18.462,9.01 h0.4 r90
IC8: Mechanical 14 "5" at 24.196,2.747 h0.4 r90; Mechanical 14 "4" at 24.196,4.017 h0.4 r90; Mechanical 14 "3" at 24.196,5.287 h0.4 r90; Mechanical 14 "2" at 24.196,6.557 h0.4 r90; Mechanical 14 "1" at 24.196,7.827 h0.4 r90; Mechanical 14 "A" at 25.347,8.97 h0.4 r90; Mechanical 14 "B" at 26.617,8.97 h0.4 r90; Mechanical 14 "C" at 27.887,8.97 h0.4 r90; Mechanical 14 "D" at 29.157,8.97 h0.4 r90; Mechanical 14 "E" at 30.427,8.97 h0.4 r90
J6: Notvisible "2.5" at 9.5,45.124 h1.2 r270; Notvisible "3.0" at 9.5,47.624 h1.2 r270
J7: Mechanical 14 "80" at 2.7,10.184 h1 r270; Mechanical 14 "79" at 10.3,10.148 h1 r270; Mechanical 14 "2" at 2.702,30.52 h1 r270; Mechanical 14 "1" at 10.302,30.637 h1 r270; Bottom Overlay "1" at 10.4,31.9 h1; Bottom Overlay "79" at 10.3,11 h1 r270
J8: Mechanical 14 "80" at 30.7,10.184 h1 r270; Mechanical 14 "79" at 38.3,10.148 h1 r270; Mechanical 14 "2" at 30.702,30.52 h1 r270; Mechanical 14 "1" at 38.302,30.637 h1 r270; Bottom Overlay "1" at 40.206,30.116 h1 r270; Bottom Overlay "2" at 30.702,30.52 h1 r270